# Altium PCB VAMoS Rev D.PcbDoc (part 3 of 4)
Units mil, origin at the board's own origin, x right, y up, seen from the top; angles counter-clockwise.
Board outline 3123.48 x 5025.48 mil, 4 copper layers (Top Signal Layer, Power Plane, Ground Plane, Bottom Signal Layer), stack 61.2 mil thick; 294 components, 124 nets, 789 pads, 1205 vias.
Unrouted connection lines stored in the file: 1.
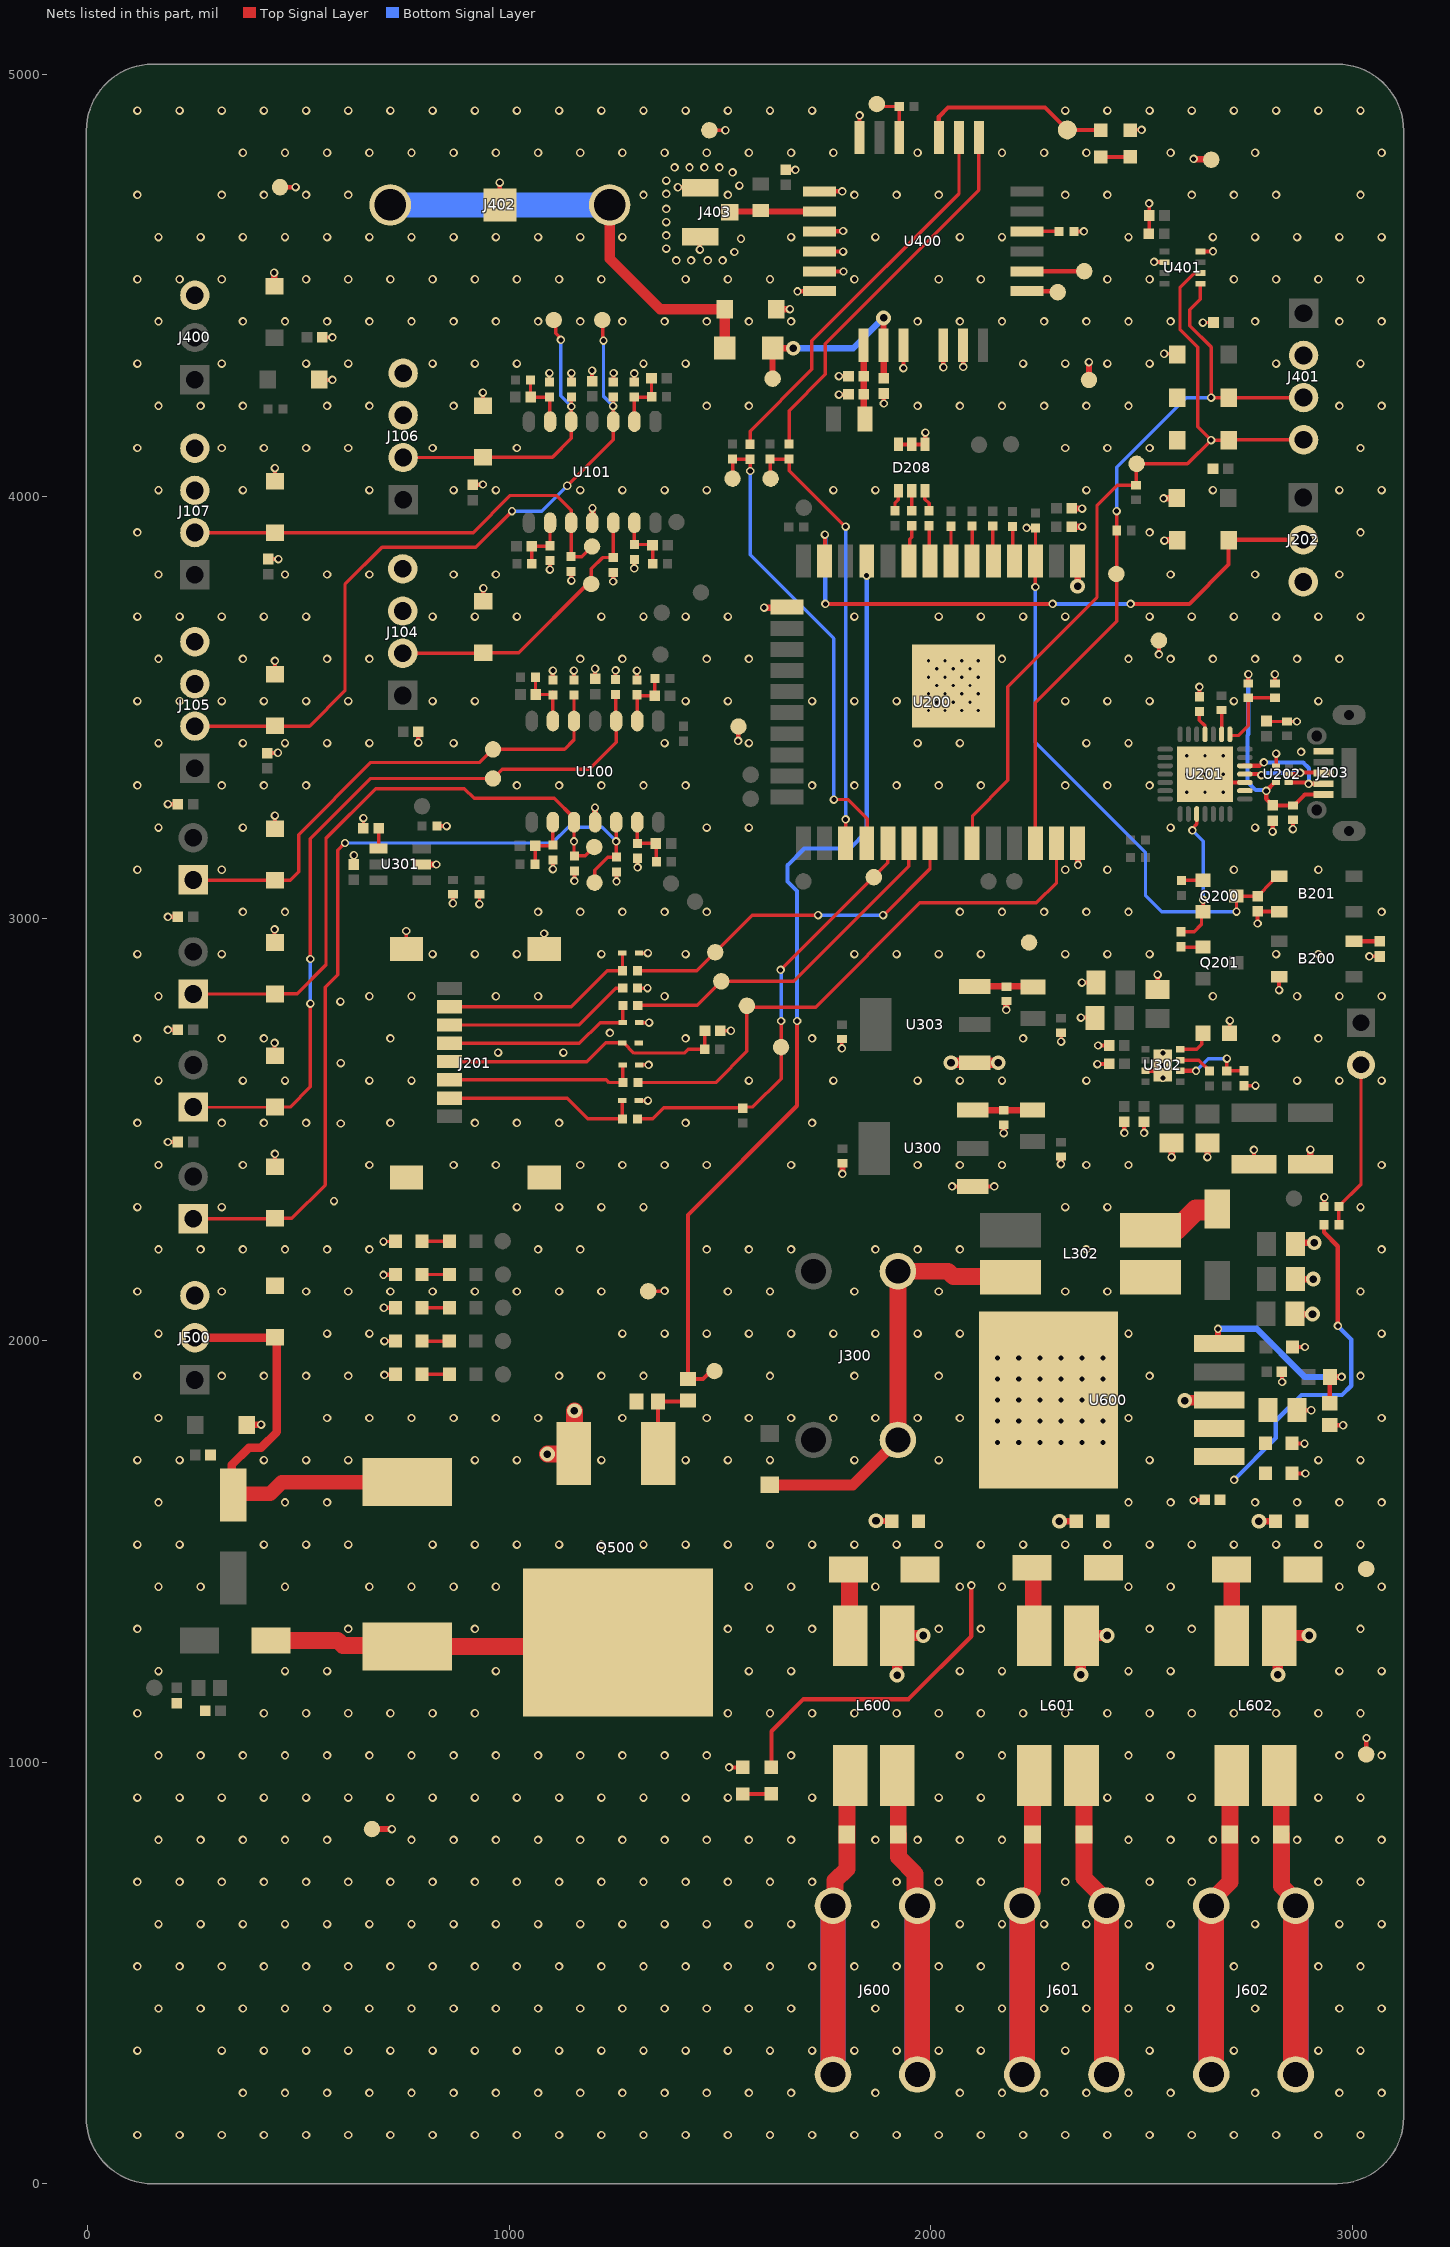
[diagram p5: the nets of this part, all layers, seen from the top]

## Via types
v1: diameter 20, hole 12, Top Signal Layer to Bottom Signal Layer, tented both sides, 1169 vias
v2: diameter 35, hole 18, Top Signal Layer to Bottom Signal Layer, tented both sides, 27 vias
v3: diameter 19.68, hole 7.87, Top Signal Layer to Bottom Signal Layer, tented both sides, 9 vias

## Nets (pads, with @x,y where several pads share a name; then routed paths per layer and width w, separated by ;. In a path a pad name is that pad's centre, name@x,y a point inside that pad or via, vN(x,y) a via of type N, cw(c..) or ccw(c..) an arc to the next point about the centre after c; other vN are vias at no path point) (continued)
GND: B200.3 B201.3 C108.1 C109.1 C110.1 C111.1 C112.1 C113.1 C114.1 C115.1 C116.1 C117.1 C200.2 C201.1 C202.2 C203.1 C204.2 C205.2 C206.2 C207.1 C208.2 C209.2 C300.1 C302.1 C303.2 C304.2 C305.1 C306.2 C307.1 C308.2 C309.1 C310.2 C311.2 C312.1 C313.1 C314.1 C315.2 C316.2 C317.1 C318.2 C319.2 C320.2 C321.2 C322.2 C400.1 C401.1 C402.1 C403.1 C404.2 C405.1 C406.1 C407.1 C501.2 C502.2 C503.2 C600.1 C601.1 C602.1 C603.2 C604.1 C605.2 C606.1 C607.1 C608.2 C609.2 C610.2 C611.2 D100.2 D101.2 D102.2 D103.2 D104.2 D105.2 D106.2 D107.2 D200.2 D201.1 D202.1 D203.1 D205.1 D206.1 D208.1 D208.2 D208.3 D209.2 D301.2 D302.2 D303.2 D304.2 D305.2 D400.2 D401.2 D402.2 D403.2 D404.2 D405.2 D407.2 D501.2 D502.2 D606.2 J104.3 J104.4 J105.3 J105.4 J106.3 J106.4 J107.3 J107.4 J201.9 J201.10 J201.11 J201.12 J202.3 J203.5 J400.3 J401.2 J402.2 J403.GND J500.3 L302.3 L600.3 L601.3 L602.3 Q500.3 R100.1 R101.1 R102.1 R103.1 R104.1 R105.1 R106.1 R107.1 R112.1 R113.1 R114.1 R115.1 R116.1 R117.1 R118.1 R119.1 R212.2 R225.1 R227.2 R232.2 R300.2 R304.1 R405.1 R501.1 R601.2 TP300.1 TP301.1 TP302.1 TP303.1 TP310.1 TP311.1 TP312.1 TP313.1 TP314.1 TP315.1 U100.11 U101.11 U200.1 U200.15 U200.38 U200.39 U201.3 U201.29 U202.4 U300.1 U301.2 U302.3 U303.1 U400.1 U400.3 U400.4 U400.5 U400.6 U400.9 U400.10 U400.11 U400.24 U401.1 U401.7 U600.3 U600.6 | length 5771.2
  Top Signal Layer w7.99: U200.15@1655.68,3745.23 U200.15@1657.68,3747.23
  Top Signal Layer w8: C402.1@557.11,4378 v1(581,4378) ; C311.2@632,3126.86 v1(632,3150) ; C310.2@654.63,3214.08 654.85,3214.3 v1(654.85,3238.08) ; v1(702.35,2234.06) 730.11,2234.06 D301.2@730.86,2234.81 ; v1(756.28,2970.42) 756.28,2929.02 757.28,2928.02 J201.9@756.92,2927.66 ; v1(929.85,3034.08) C313.1@929.85,3057.15 ; v1(1083.28,2964.42) 1083.28,2928.07 J201.10@1083.69,2927.66 ; v1(1095.61,4292.92) 1095.61,4272.11 R116.1@1096,4271.72 ; R212.2@1304.98,2835 v1(1328.27,2835) ; D206.1@1307.68,2568 v1(1329,2568) ; D202.1@1307.95,2918 v1(1329.27,2918) ; D205.1@1308.68,2653 v1(1331,2653) ; D203.1@1308.95,2753 v1(1332.27,2753) ; TP300.1@1329.85,2116.08 1330.35,2116.58 1368.35,2116.58 v1(1368.85,2117.08) ; TP302.1@1475,4869 v1(1513,4869) ; C200.2@1500.99,2733.83 1501.99,2732.83 1502.57,2733.41 v1@1524.6,2733.41 ; v1(1788.98,2692.18) C317.1@1788.98,2713.07 ; C314.1@2178.98,2803.16 C314.1@2179.13,2803.32 ; C312.1@2308.98,2728.14 2308.82,2727.98 2309,2727.8 v1(2309,2708) ; D407.2@2473,4869.24 2472.5,4869.75 2472.75,4870 v1(2500,4870) ; C406.1@2516.96,4623.63 2517.87,4624.54 C407.1@2517.87,4666.89 v1(2517.87,4695.39) v1@2518.19,4695.7 ; v1(2553.32,4339) 2582.29,4339 D400.2@2584.29,4337 ; v1(2645.32,4413) C400.1@2670.2,4413 ; C309.1@2708.35,2727.86 2709,2728.51 v1(2709,2758) ; R304.1@2742.85,2603.43 2743.07,2603.64 2769.63,2603.64 v1(2769.85,2603.86) ; C204.2@2795.85,3468.26 2797.1,3467.01 C203.1@2844.85,3467.01 2844.89,3467.04 2867.82,3467.04 v1(2867.85,3467.08) ; U202.4@2818.69,3361.76 2818.77,3361.84 2818.77,3391 v1(2818.85,3391.08) ; v1(3039.85,2910.08) 3064.74,2910.08 C208.2@3064.85,2909.97
  Top Signal Layer w10: v1(191,2470) C114.1@214.89,2470 ; v1(191,2736) C115.1@214.89,2736 ; v1(191,3004) C117.1@214.89,3004 ; v1(191,3271) C116.1@214.89,3271 ; C109.1@427,3392.22 427.39,3392.61 451.61,3392.61 v1(452,3393) ; C111.1@429,3852.22 429.11,3852.11 452.89,3852.11 v1(453,3852) ; v1(444,2705) 444,2684.02 D102.2@453,2675.02 ; v1(444,2974) 444,2946.02 D106.2@447,2943.02 ; D100.2@445,2411.02 v1(445,2442) ; v1(445,3244) 445,3218.02 D104.2@450,3213.02 ; v1(445,3611) 445,3583.6 D103.2@450.06,3578.55 ; v1(445,4068) 445,4040.02 D107.2@448,4037.02 ; TP301.1@457,4734 v1(494,4734) v1@495,4735 ; D404.2@550.02,4278 551.02,4277 v1(581,4277) ; v1(702.35,2155.06) 720.06,2155.06 728.46,2163.46 D302.2@728.86,2163.06 ; v1(703.35,2077.06) 721.91,2077.06 730.39,2085.54 D303.2@730.86,2085.06 ; v1(704.35,1918.06) 736.06,1918.06 737.46,1919.46 D305.2@737.86,1919.06 ; v1(704.35,1998.06) 731.86,1998.06 734.86,2001.06 D304.2@735.46,2000.46 ; v1(784.89,3417) 785,3417.11 785,3442.89 C108.1@785.11,3443 ; R300.2@829.28,3219.04 v1(852,3219) ; v1(866.85,3036.08) C305.1@866.85,3057.22 ; C110.1@914,4028.22 914.39,4028.61 937.61,4028.61 v1(938,4029) ; D105.2@938,4216.02 v1(938,4247) ; D101.2@939,3752.02 v1(939,3783) ; v1(977.98,4744.92) 977.98,4692.2 J402.2@978.35,4691.83 ; v1(1096.85,3827.08) 1097.05,3827.27 1097.05,3848.24 R118.1@1097.24,3848.44 ; v1(1103.85,3117.08) 1104.17,3117.4 1104.17,3138.67 R107.1@1104.48,3138.98 ; R106.1@1103.84,3565.36 v1(1103.84,3587.65) ; R119.1@1147.24,3822.44 1147.55,3822.13 1147.55,3801.38 v1(1147.85,3801.08) ; v1(1147.61,4292.92) 1147.61,4272.11 R117.1@1148,4271.72 ; v1(1153.84,3587.65) 1153.84,3565.87 R103.1@1154,3565.72 ; v1@1154.93,3089.16 1154.93,3112.92 R104.1@1155.01,3113 ; C113.1@1197,4274.11 v1(1197,4298.89) ; U101.11@1197.24,3938.15 U101.11@1197.28,3938.11 ; U100.11@1204.01,3228.4 U100.11@1204.62,3227.79 ; C112.1@1204,3568.22 v1(1204,3592.11) ; v1(1246.85,3799.08) 1246.85,3820.05 R113.1@1247.24,3820.44 ; R115.1@1247.17,4271.72 1247.78,4272.32 v1(1247.78,4293.43) ; v1(1252.65,3588.19) 1252.65,3566.43 R102.1@1252.86,3566.23 ; v1(1254.85,3088.08) 1254.85,3107.84 1253.85,3108.84 R101.1@1255.01,3110 ; v1(1296.85,3830.08) 1297.05,3830.27 1297.05,3851.24 R112.1@1297.24,3851.44 ; v1(1296.91,4292.6) 1296.96,4292.56 R114.1@1297,4271.89 R114.1@1297,4271.89 ; v1(1303.3,3587.87) 1303.48,3587.69 1303.48,3566.08 R105.1@1303.65,3565.91 ; v1(1304.85,3121.08) 1304.93,3121.16 1304.93,3142.64 R100.1@1305.01,3142.72 ; v1(1400.35,4733.77) 1450.37,4733.77 1452.43,4731.72 J403.GND@1453.5,4732.79 ; v1(1452.34,4585.72) 1452.34,4615.49 J403.GND@1453.5,4616.65 ; v1(1522,987.25) D606.2@1554,987.25 ; v1(1543,3421) 1543.5,3421.5 1543.5,3454.5 TP313.1@1544,3455 ; C404.2@1654.98,4775.2 1655.03,4775.14 1678.92,4775.14 v1(1678.98,4775.09) ; v1@1680.1,4487.09 1735.95,4487.09 U400.6@1736.2,4487.33 ; U400.5@1736.2,4534.57 1736.44,4534.33 1792.86,4534.33 v1(1793.1,4534.09) ; U400.4@1736.2,4581.82 1736.56,4581.45 1791.74,4581.45 v1(1792.1,4581.09) ; U400.3@1736.2,4629.06 1736.71,4629.57 1791.59,4629.57 v1(1792.1,4630.09) ; U400.1@1736.2,4723.55 1737.73,4725.09 1738.73,4724.09 v1(1790.1,4724.09) ; v1(1782,4242) 1803.2,4242 1803.55,4241.65 C405.1@1804.99,4243.09 ; v1(1782,4286) 1802.81,4286 1803.86,4284.95 C403.1@1804.99,4286.09 ; U400.24@1831.1,4851.09 U400.24@1830.69,4851.5 1830.89,4851.71 1830.89,4903.88 v1(1831.1,4904.09) ; v1(1888.54,4221.02) C401.1@1888.54,4244.8 ; D208.3@1923.5,4124.12 D208.2@1955,4124.12 D208.1@1986.5,4124.12 1986.75,4124.37 1986.75,4151.75 v1(1987,4152) ; v1(1935,4305) U400.9@1935.02,4359.38 ; U400.9@1935.02,4387.37 U400.9@1935.02,4359.77 ; U400.9@1935.1,4359.86 U400.9@1935.02,4359.77 ; U400.10@2029.1,4379.78 U400.10@2029.5,4379.38 ; U400.10@2029.5,4359.38 2029.75,4359.13 2029.75,4307.25 v1(2030,4307) ; v1(2050.53,2364.65) 2099.61,2364.65 U300.1@2099.81,2364.45 2100.01,2364.65 v1(2150.53,2364.65) ; U400.11@2076.75,4359.38 2076.87,4359.25 2076.87,4308.13 v1(2077,4308) ; R405.1@2339.03,4629.09 R405.1@2339.82,4629.09 v1(2363.1,4629.09) ; v1(2356,2765) 2389.21,2765 C304.2@2389.71,2764.5 ; v1(2358,2848) 2391.43,2848 C303.2@2392.13,2848.7 ; v1(2394.85,2654.86) 2395.04,2655.05 2422.82,2655.05 C306.2@2423.01,2655.24 ; v1(2396.85,2698.86) C308.2@2422.74,2698.86 ; v1(2458.85,2491.86) C318.2@2458.85,2517.97 ; C319.2@2505.46,2517.97 2505.66,2517.78 2505.66,2492.05 v1(2505.85,2491.86) ; U302.3@2508.85,2638.68 2537.39,2638.68 U302.3@2550.19,2651.47 ; v1(2529.7,4556.7) 2530.05,4556.34 2554.25,4556.34 U401.7@2554.61,4555.99 ; C315.2@2537.8,2831.97 2538,2832.17 v1(2538,2867) ; v1(2540.85,3626.08) TP303.1@2540.85,3659.08 ; v1(2623,1621) 2623.41,1621.41 2649.07,1621.41 C605.2@2649.48,1621.83 ; R227.2@2636.85,3525.8 v1(2636.85,3549.08) ; U401.1@2639.25,4581.58 2640.2,4580.63 2641.2,4581.63 v1(2669.19,4581.63) ; v3(2650.14,3342.29) 2669.83,3322.61 U201.3@2741.68,3322.61 ; C316.2@2766.15,2417.6 v1(2766.15,2451.4) ; v1(2774.85,2988.08) C206.2@2774.85,3016.86 2775.4,3016.31 2825.72,3016.31 B201.3@2826.27,3015.76 ; v1(2810.37,3206.09) 2810.61,3206.32 2810.61,3231.73 C209.2@2810.85,3231.97 ; R225.1@2815.85,3557.01 v1(2815.85,3579.08) ; v1(2825.85,2830.08) 2825.85,2861.34 B200.3@2826.27,2861.76 ; C608.2@2832.35,1924.98 2832.68,1924.65 2832.68,1901.32 v1(2833,1901) ; C606.1@2856.57,1684.82 2857.39,1684 v1(2888,1684) ; C607.1@2856.57,1755.69 2857.25,1755 v1(2886,1755) ; C604.1@2857.58,1984 v1(2887,1984) ; v1(2858.37,3211.91) 2858.61,3212.14 2858.61,3232.73 C207.1@2858.85,3232.97 ; C603.2@2868.38,1834.43 2868.8,1834 v1(2902,1834) ; R232.2@2932.28,2317.31 2932.64,2317.67 2932.64,2338.64 v1(2933,2339) ; R601.2@2946,1799.41 2946.99,1798.42 v1(2977.82,1798.42) ; TP315.1@3032.35,1018 3032.67,1018.33 3032.67,1056.67 v1(3033,1057) ; U400.9@1935.02,4359.77 1934.82,4359.57 U400.9@1935.02,4359.38 U400.9@1935.02,4359.77
  Top Signal Layer w15: D502.2@378.02,1799 378.52,1799.5 411.5,1799.5 v1(412,1800) ; v1(443,4531) 443.5,4530.5 443.5,4499.52 D403.2@444,4499.02 ; TP311.1@675,841 v1(722,841) ; U301.2@793.03,3128.08 v1(827.85,3128.08) ; U101.11@1197.24,3938.15 1197.85,3938.76 v1(1197.85,3973.08) ; v1(1203.85,3263.08) 1203.85,3228.56 U100.11@1204.01,3228.4 ; v1(1605,3737) 1647.45,3737 U200.15@1655.68,3745.23 ; D405.2@1633.18,4444.71 1633.26,4444.79 1665.72,4444.79 v1(1665.8,4444.87) ; v1(1790.53,2394.65) 1790.53,2418.62 C307.1@1790.68,2418.78 ; v2(1870,1572) 1870.68,1571.32 1907.07,1571.32 C600.1@1907.75,1570.65 ; U303.1@2103.75,2658.49 U303.1@2104.26,2657.98 ; C302.1@2172.68,2508.78 2172.53,2508.62 2174.53,2506.62 2173,2505.09 v1(2173,2491) ; v1(2178.98,2783.18) C314.1@2178.98,2803.16 ; v2(2305,1571) 2305.18,1570.82 2344.58,1570.82 C601.1@2344.76,1570.65 ; v1(2308.53,2417.65) 2308.45,2417.72 2308.45,2432.35 C300.1@2308.53,2432.43 ; C202.2@2334.11,3929 v1(2359,3929) ; C201.1@2334.39,3972.39 2334.59,3972.19 2358.81,3972.19 v1(2359,3972) ; v2(2348,3788) 2348.08,3788.08 2348.08,3847.61 U200.1@2348.16,3847.69 ; v1(2349,3127) 2349,3184.11 2349.27,3184.38 U200.38@2349.02,3184.63 ; TP310.1@2375,4277 v1(2375,4319) ; v1(2552,3996) 2552.5,3996.5 2582.48,3996.5 D209.2@2582.98,3997 ; v1(2554,3896) 2554.5,3896.5 2583.48,3896.5 D200.2@2583.98,3897 ; v1(2571,2434) 2571,2467.59 C321.2@2571.2,2467.8 ; v1(2623,4801) 2623.96,4800.04 2663.96,4800.04 TP312.1@2665,4799 ; C322.2@2655.91,2467.8 2656,2467.71 v1(2656,2434) ; v2(2778,1571) 2778.18,1570.82 2817.02,1570.82 C602.1@2817.2,1570.65 ; C611.2@2863.46,2062.77 2864.23,2062 v2(2905,2062) ; C609.2@2864.44,2145.45 2864.89,2145 v2(2907,2145) ; C610.2@2864.44,2228.13 2867.31,2231 v2(2909,2231) ; C320.2@2900.01,2417.6 v1(2900,2452)
  Top Signal Layer w25: v2(1920,1206) 1920,1299.04 L600.3@1920.35,1299.39 1920.96,1300 v2(1982,1300) ; v2@2048.49,2658.49 U303.1@2103.75,2658.49 ; U303.1@2104.26,2657.98 v2(2160,2658) ; v2(2356,1207) 2356,1298.03 L601.3@2357.35,1299.39 2357.97,1300 v2(2418,1300) ; v2(2602,1857) 2602.52,1857.52 2683.01,1857.52 U600.3@2683.54,1858.05 ; v2(2823,1207) 2823,1296.53 L602.3@2825.86,1299.39 2826.47,1300 v2(2897,1300)
  Top Signal Layer w40: v2(1091,1730) 1151.65,1730 Q500.3@1153.29,1731.65 1155,1733.35 v2(1155,1833)
  other v1: 118.8,115.6 218.8,115.6 318.8,115.6 418.8,115.6 518.8,115.6 618.8,115.6 718.8,115.6 818.8,115.6 918.8,115.6 1018.8,115.6 1118.8,115.6 1218.8,115.6 1318.8,115.6 1418.8,115.6 1518.8,115.6 1618.8,115.6 1718.8,115.6 1818.8,115.6 1918.8,115.6 2018.8,115.6 2118.8,115.6 2218.8,115.6 2318.8,115.6 2418.8,115.6 2518.8,115.6 2618.8,115.6 2718.8,115.6 2818.8,115.6 2918.8,115.6 3018.8,115.6 368.8,215.6 468.8,215.6 568.8,215.6 668.8,215.6 768.8,215.6 868.8,215.6 968.8,215.6 1068.8,215.6 1168.8,215.6 1268.8,215.6 1368.8,215.6 1468.8,215.6 1568.8,215.6 1668.8,215.6 1868.8,215.6 2068.8,215.6 2168.8,215.6 2268.8,215.6 2368.8,215.6 2468.8,215.6 2568.8,215.6 2768.8,215.6 2968.8,215.6 3068.8,215.6 118.8,315.6 318.8,315.6 418.8,315.6 518.8,315.6 618.8,315.6 718.8,315.6 818.8,315.6 918.8,315.6 1018.8,315.6 1118.8,315.6 1218.8,315.6 1318.8,315.6 1418.8,315.6 1518.8,315.6 1618.8,315.6 1718.8,315.6 1818.8,315.6 1918.8,315.6 2018.8,315.6 2118.8,315.6 2318.8,315.6 2518.8,315.6 2718.8,315.6 2918.8,315.6 3018.8,315.6 168.8,415.6 268.8,415.6 368.8,415.6 468.8,415.6 568.8,415.6 668.8,415.6 768.8,415.6 868.8,415.6 968.8,415.6 1068.8,415.6 1168.8,415.6 1268.8,415.6 1368.8,415.6 1468.8,415.6 1568.8,415.6 1668.8,415.6 1868.8,415.6 2068.8,415.6 2168.8,415.6 2268.8,415.6 2368.8,415.6 2468.8,415.6 2568.8,415.6 2768.8,415.6 2968.8,415.6 3068.8,415.6 118.8,515.6 218.8,515.6 318.8,515.6 418.8,515.6 518.8,515.6 618.8,515.6 718.8,515.6 818.8,515.6 918.8,515.6 1018.8,515.6 1118.8,515.6 1218.8,515.6 1318.8,515.6 1418.8,515.6 1518.8,515.6 1618.8,515.6 1718.8,515.6 1818.8,515.6 1918.8,515.6 2018.8,515.6 2118.8,515.6 2318.8,515.6 2518.8,515.6 2718.8,515.6 2918.8,515.6 3018.8,515.6 168.8,615.6 268.8,615.6 368.8,615.6 468.8,615.6 568.8,615.6 668.8,615.6 768.8,615.6 868.8,615.6 968.8,615.6 1068.8,615.6 1168.8,615.6 1268.8,615.6 1368.8,615.6 1468.8,615.6 1568.8,615.6 1668.8,615.6 1868.8,615.6 2068.8,615.6 2168.8,615.6 2268.8,615.6 2368.8,615.6 2468.8,615.6 2568.8,615.6 2768.8,615.6 2968.8,615.6 3068.8,615.6 118.8,715.6 218.8,715.6 318.8,715.6 418.8,715.6 518.8,715.6 618.8,715.6 718.8,715.6 818.8,715.6 918.8,715.6 1018.8,715.6 1118.8,715.6 1218.8,715.6 1318.8,715.6 1418.8,715.6 1518.8,715.6 1618.8,715.6 1718.8,715.6 1918.8,715.6 2018.8,715.6 2118.8,715.6 2318.8,715.6 2518.8,715.6 2618.8,715.6 2918.8,715.6 3018.8,715.6 168.8,815.6 268.8,815.6 368.8,815.6 468.8,815.6 568.8,815.6 768.8,815.6 868.8,815.6 968.8,815.6 1068.8,815.6 1168.8,815.6 1268.8,815.6 1368.8,815.6 1468.8,815.6 1568.8,815.6 1668.8,815.6 1868.8,815.6 1968.8,815.6 2068.8,815.6 2168.8,815.6 2468.8,815.6 2568.8,815.6 2668.8,815.6 2768.8,815.6 2868.8,815.6 2968.8,815.6 3068.8,815.6 118.8,915.6 218.8,915.6 318.8,915.6 418.8,915.6 518.8,915.6 618.8,915.6 718.8,915.6 818.8,915.6 918.8,915.6 1018.8,915.6 1118.8,915.6 1218.8,915.6 1318.8,915.6 1418.8,915.6 1518.8,915.6 1718.8,915.6 2018.8,915.6 2118.8,915.6 2418.8,915.6 2518.8,915.6 2618.8,915.6 2918.8,915.6 3018.8,915.6 168.8,1015.6 268.8,1015.6 368.8,1015.6 468.8,1015.6 568.8,1015.6 668.8,1015.6 768.8,1015.6 868.8,1015.6 968.8,1015.6 1068.8,1015.6 1168.8,1015.6 1268.8,1015.6 1368.8,1015.6 1468.8,1015.6 1668.8,1015.6 2068.8,1015.6 2168.8,1015.6 2468.8,1015.6 2568.8,1015.6 2968.8,1015.6 3068.8,1015.6 118.8,1115.6 418.8,1115.6 518.8,1115.6 618.8,1115.6 718.8,1115.6 818.8,1115.6 918.8,1115.6 1518.8,1115.6 1618.8,1115.6 1718.8,1115.6 1818.8,1115.6 1918.8,1115.6 2018.8,1115.6 2118.8,1115.6 2218.8,1115.6 2318.8,1115.6 2418.8,1115.6 2518.8,1115.6 2618.8,1115.6 2718.8,1115.6 2818.8,1115.6 2918.8,1115.6 3018.8,1115.6 168.8,1215.6 468.8,1215.6 568.8,1215.6 968.8,1215.6 1568.8,1215.6 1668.8,1215.6 2068.8,1215.6 2168.8,1215.6 2468.8,1215.6 2568.8,1215.6 2968.8,1215.6 3068.8,1215.6 118.8,1315.6 618.8,1315.6 918.8,1315.6 1518.8,1315.6 1618.8,1315.6 1718.8,1315.6 2018.8,1315.6 2118.8,1315.6 2518.8,1315.6 2618.8,1315.6 3018.8,1315.6 168.8,1415.6 268.8,1415.6 468.8,1415.6 668.8,1415.6 768.8,1415.6 868.8,1415.6 968.8,1415.6 1568.8,1415.6 1668.8,1415.6 1868.8,1415.6 2068.8,1415.6 2168.8,1415.6 2468.8,1415.6 2568.8,1415.6 2968.8,1415.6 3068.8,1415.6 118.8,1515.6 218.8,1515.6 418.8,1515.6 518.8,1515.6 618.8,1515.6 818.8,1515.6 918.8,1515.6 1018.8,1515.6 1118.8,1515.6 1218.8,1515.6 1318.8,1515.6 1418.8,1515.6 1518.8,1515.6 1618.8,1515.6 1718.8,1515.6 1818.8,1515.6 1918.8,1515.6 2018.8,1515.6 2118.8,1515.6 2218.8,1515.6 2318.8,1515.6 2418.8,1515.6 2518.8,1515.6 2618.8,1515.6 2718.8,1515.6 2818.8,1515.6 2918.8,1515.6 3018.8,1515.6 168.8,1615.6 468.8,1615.6 568.8,1615.6 2468.8,1615.6 2568.8,1615.6 2768.8,1615.6 2868.8,1615.6 2968.8,1615.6 3068.8,1615.6 118.8,1715.6 218.8,1715.6 418.8,1715.6 518.8,1715.6 618.8,1715.6 918.8,1715.6 1018.8,1715.6 1218.8,1715.6 1418.8,1715.6 1518.8,1715.6 1618.8,1715.6 1818.8,1715.6 2018.8,1715.6 2518.8,1715.6 2918.8,1715.6 3018.8,1715.6 168.8,1815.6 568.8,1815.6 668.8,1815.6 768.8,1815.6 868.8,1815.6 968.8,1815.6 1068.8,1815.6 1268.8,1815.6 1468.8,1815.6 1568.8,1815.6 1668.8,1815.6 1768.8,1815.6 1868.8,1815.6 1968.8,1815.6 2068.8,1815.6 2468.8,1815.6 3068.8,1815.6 118.8,1915.6 318.8,1915.6 418.8,1915.6 518.8,1915.6 618.8,1915.6 1118.8,1915.6 1218.8,1915.6 1318.8,1915.6 1618.8,1915.6 1818.8,1915.6 2018.8,1915.6 2518.8,1915.6 3018.8,1915.6 168.8,2015.6 568.8,2015.6 668.8,2015.6 1268.8,2015.6 1368.8,2015.6 1468.8,2015.6 1568.8,2015.6 1668.8,2015.6 1768.8,2015.6 1868.8,2015.6 1968.8,2015.6 2068.8,2015.6 2468.8,2015.6 3068.8,2015.6 118.8,2115.6 318.8,2115.6 518.8,2115.6 618.8,2115.6 718.8,2115.6 818.8,2115.6 918.8,2115.6 1018.8,2115.6 1118.8,2115.6 1218.8,2115.6 1518.8,2115.6 1618.8,2115.6 1818.8,2115.6 2018.8,2115.6 2318.8,2115.6 2418.8,2115.6 3018.8,2115.6 168.8,2215.6 268.8,2215.6 368.8,2215.6 468.8,2215.6 568.8,2215.6 668.8,2215.6 1068.8,2215.6 1168.8,2215.6 1468.8,2215.6 1568.8,2215.6 1668.8,2215.6 1868.8,2215.6 1968.8,2215.6 2068.8,2215.6 2368.8,2215.6 3068.8,2215.6 118.8,2315.6 318.8,2315.6 1018.8,2315.6 1118.8,2315.6 1218.8,2315.6 1318.8,2315.6 2318.8,2315.6 2418.8,2315.6 3018.8,2315.6 585,2330 168.8,2415.6 368.8,2415.6 668.8,2415.6 868.8,2415.6 968.8,2415.6 1168.8,2415.6 1268.8,2415.6 1368.8,2415.6 1468.8,2415.6 1668.8,2415.6 1968.8,2415.6 2068.8,2415.6 2168.8,2415.6 2368.8,2415.6 2468.8,2415.6 3068.8,2415.6 601,2514 118.8,2515.6 318.8,2515.6 418.8,2515.6 518.8,2515.6 718.8,2515.6 918.8,2515.6 1018.8,2515.6 1118.8,2515.6 1418.8,2515.6 1718.8,2515.6 168.8,2615.6 368.8,2615.6 468.8,2615.6 668.8,2615.6 768.8,2615.6 1568.8,2615.6 1768.8,2615.6 1968.8,2615.6 2068.8,2615.6 2168.8,2615.6 2368.8,2615.6 2868.8,2615.6 2968.8,2615.6 3068.8,2615.6 601,2657 974,2682 1129,2682 118.8,2715.6 318.8,2715.6 418.8,2715.6 718.8,2715.6 1418.8,2715.6 1718.8,2715.6 2218.8,2715.6 2818.8,2715.6 2918.8,2715.6 1239,2729 1525.88,2733.83 600,2803 168.8,2815.6 668.8,2815.6 768.8,2815.6 968.8,2815.6 1068.8,2815.6 1368.8,2815.6 2668.8,2815.6 2868.8,2815.6 2968.8,2815.6 3068.8,2815.6 118.8,2915.6 318.8,2915.6 818.8,2915.6 918.8,2915.6 1018.8,2915.6 1218.8,2915.6 1418.8,2915.6 1818.8,2915.6 1918.8,2915.6 2018.8,2915.6 2118.8,2915.6 2318.8,2915.6 2418.8,2915.6 2518.8,2915.6 2818.8,2915.6 2918.8,2915.6 368.8,3015.6 468.8,3015.6 1068.8,3015.6 1168.8,3015.6 1268.8,3015.6 1368.8,3015.6 1468.8,3015.6 2068.8,3015.6 2168.8,3015.6 2268.8,3015.6 2368.8,3015.6 2468.8,3015.6 3068.8,3015.6 1154.85,3089.08 118.8,3115.6 318.8,3115.6 2318.8,3115.6 2418.8,3115.6 2718.8,3115.6 2918.8,3115.6 168.8,3215.6 368.8,3215.6 1468.8,3215.6 1568.8,3215.6 2568.8,3215.6 2768.8,3215.6 118.8,3315.6 318.8,3315.6 418.8,3315.6 518.8,3315.6 1018.8,3315.6 1118.8,3315.6 1218.8,3315.6 1318.8,3315.6 1418.8,3315.6 1718.8,3315.6 1818.8,3315.6 1918.8,3315.6 2018.8,3315.6 2118.8,3315.6 2318.8,3315.6 2418.8,3315.6 2518.8,3315.6 2877.93,3395.16 168.8,3415.6 368.8,3415.6 468.8,3415.6 568.8,3415.6 668.8,3415.6 868.8,3415.6 1368.8,3415.6 1568.8,3415.6 1968.8,3415.6 2068.8,3415.6 2368.8,3415.6 2468.8,3415.6 118.8,3515.6 218.8,3515.6 318.8,3515.6 418.8,3515.6 518.8,3515.6 618.8,3515.6 818.8,3515.6 918.8,3515.6 1418.8,3515.6 1518.8,3515.6 1718.8,3515.6 1818.8,3515.6 1918.8,3515.6 2318.8,3515.6 2418.8,3515.6 2518.8,3515.6 2718.8,3515.6 2918.8,3515.6 168.8,3615.6 368.8,3615.6 568.8,3615.6 668.8,3615.6 1168.8,3615.6 1268.8,3615.6 1468.8,3615.6 1568.8,3615.6 2168.8,3615.6 2468.8,3615.6 2568.8,3615.6 2668.8,3615.6 2768.8,3615.6 2868.8,3615.6 2968.8,3615.6 118.8,3715.6 218.8,3715.6 318.8,3715.6 418.8,3715.6 518.8,3715.6 818.8,3715.6 918.8,3715.6 1018.8,3715.6 1218.8,3715.6 1318.8,3715.6 1418.8,3715.6 1518.8,3715.6 1818.8,3715.6 2018.8,3715.6 2118.8,3715.6 2218.8,3715.6 2318.8,3715.6 2518.8,3715.6 2618.8,3715.6 2718.8,3715.6 2818.8,3715.6 2918.8,3715.6 3018.8,3715.6 168.8,3815.6 468.8,3815.6 568.8,3815.6 668.8,3815.6 868.8,3815.6 968.8,3815.6 2568.8,3815.6 2768.8,3815.6 2968.8,3815.6 118.8,3915.6 2518.8,3915.6 3018.8,3915.6 168.8,4015.6 368.8,4015.6 668.8,4015.6 868.8,4015.6 968.8,4015.6 1168.8,4015.6 1268.8,4015.6 1368.8,4015.6 1468.8,4015.6 1768.8,4015.6 1868.8,4015.6 2368.8,4015.6 2668.8,4015.6 2968.8,4015.6 3068.8,4015.6 118.8,4115.6 318.8,4115.6 418.8,4115.6 518.8,4115.6 618.8,4115.6 818.8,4115.6 1018.8,4115.6 2318.8,4115.6 2418.8,4115.6 2518.8,4115.6 3018.8,4115.6 168.8,4215.6 268.8,4215.6 368.8,4215.6 568.8,4215.6 668.8,4215.6 868.8,4215.6 1468.8,4215.6 1568.8,4215.6 1968.8,4215.6 2068.8,4215.6 2168.8,4215.6 2268.8,4215.6 2368.8,4215.6 2468.8,4215.6 2968.8,4215.6 3068.8,4215.6 118.8,4315.6 318.8,4315.6 518.8,4315.6 618.8,4315.6 818.8,4315.6 918.8,4315.6 1018.8,4315.6 1318.8,4315.6 1418.8,4315.6 2218.8,4315.6 2318.8,4315.6 2418.8,4315.6 2518.8,4315.6 2818.8,4315.6 3018.8,4315.6 168.8,4415.6 368.8,4415.6 468.8,4415.6 568.8,4415.6 668.8,4415.6 768.8,4415.6 868.8,4415.6 968.8,4415.6 1068.8,4415.6 1168.8,4415.6 1268.8,4415.6 1368.8,4415.6 1468.8,4415.6 1568.8,4415.6 1668.8,4415.6 1968.8,4415.6 2068.8,4415.6 2168.8,4415.6 2268.8,4415.6 2368.8,4415.6 2468.8,4415.6 2568.8,4415.6 2768.8,4415.6 2968.8,4415.6 3068.8,4415.6 1684,4487 118.8,4515.6 218.8,4515.6 318.8,4515.6 518.8,4515.6 618.8,4515.6 718.8,4515.6 818.8,4515.6 918.8,4515.6 1018.8,4515.6 1118.8,4515.6 1218.8,4515.6 1418.8,4515.6 1518.8,4515.6 1618.8,4515.6 1818.8,4515.6 2018.8,4515.6 2118.8,4515.6 2418.8,4515.6 2518.8,4515.6 2718.8,4515.6 2818.8,4515.6 2918.8,4515.6 3018.8,4515.6 1396.41,4560.54 1431.84,4560.54 1471.21,4560.54 1506.65,4560.54 1534.2,4580.23 1372.79,4588.1 1549.95,4611.72 168.8,4615.6 268.8,4615.6 368.8,4615.6 468.8,4615.6 568.8,4615.6 668.8,4615.6 768.8,4615.6 868.8,4615.6 968.8,4615.6 1068.8,4615.6 1168.8,4615.6 1268.8,4615.6 1668.8,4615.6 1868.8,4615.6 2068.8,4615.6 2168.8,4615.6 2468.8,4615.6 2668.8,4615.6 2768.8,4615.6 2868.8,4615.6 2968.8,4615.6 3068.8,4615.6 1372.79,4619.6 1372.79,4651.09 1372.79,4682.59 118.8,4715.6 318.8,4715.6 418.8,4715.6 518.8,4715.6 618.8,4715.6 1318.8,4715.6 1518.8,4715.6 1818.8,4715.6 1918.8,4715.6 2018.8,4715.6 2318.8,4715.6 2418.8,4715.6 2618.8,4715.6 2718.8,4715.6 2818.8,4715.6 3018.8,4715.6 1372.79,4718.02 1546.02,4737.71 1372.79,4749.52 1530.27,4769.2 1392.47,4781.02 1427.91,4781.02 1463.34,4781.02 1498.77,4781.02 368.8,4815.6 468.8,4815.6 568.8,4815.6 668.8,4815.6 768.8,4815.6 868.8,4815.6 968.8,4815.6 1068.8,4815.6 1168.8,4815.6 1268.8,4815.6 1368.8,4815.6 1468.8,4815.6 1568.8,4815.6 1668.8,4815.6 1768.8,4815.6 1968.8,4815.6 2168.8,4815.6 2268.8,4815.6 2368.8,4815.6 2568.8,4815.6 2768.8,4815.6 3068.8,4815.6 118.8,4915.6 218.8,4915.6 318.8,4915.6 418.8,4915.6 518.8,4915.6 618.8,4915.6 718.8,4915.6 818.8,4915.6 918.8,4915.6 1018.8,4915.6 1118.8,4915.6 1218.8,4915.6 1318.8,4915.6 1418.8,4915.6 1518.8,4915.6 1618.8,4915.6 1718.8,4915.6 2318.8,4915.6 2418.8,4915.6 2518.8,4915.6 2618.8,4915.6 2718.8,4915.6 2818.8,4915.6 2918.8,4915.6 3018.8,4915.6